# Allegro board Microroc_Hardroc2b_Test_Board.brd (continued)
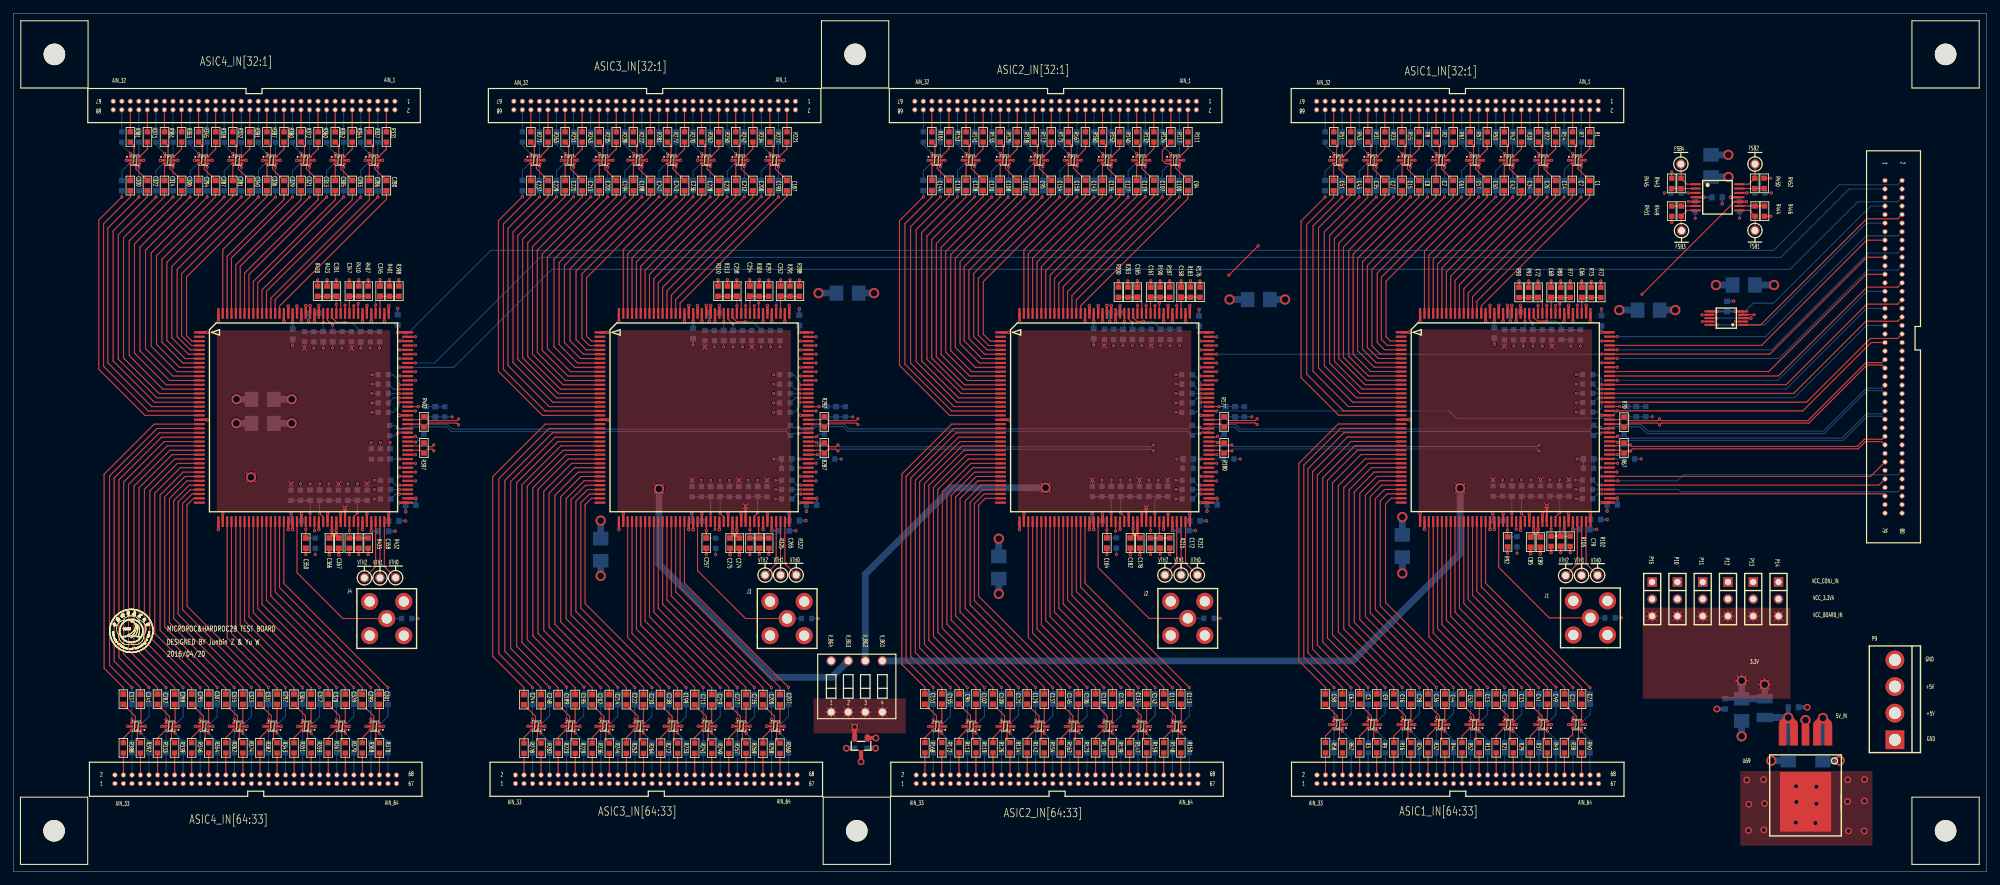
[diagram p0: board, top side]
## Placement (name value [footprint] x y rotation side) (continued)
R49  50  [SR0603]  228.27 18.44 90 top
R50  50  [SR0603]  219.33 109.37 270 top
R51  50  [SR0603]  196.47 109.37 270 top
R52  50  [SR0603]  215.57 18.44 90 top
R53  50  [SR0603]  229.54 18.44 90 bottom
R54  50  [SR0603]  218.06 109.37 270 bottom
R55  50  [SR0603]  195.2 109.37 270 bottom
R56  50  [SR0603]  216.84 18.44 90 bottom
R57  50  [SR0603]  216.79 109.37 270 top
R58  50  [SR0603]  195.25 18.44 90 top
R59  50  [SR0603]  215.52 109.37 270 bottom
R60  50  [SR0603]  196.52 18.44 90 bottom
R61  50  [SR0603]  214.25 109.37 270 top
R62  50  [SR0603]  197.79 18.44 90 top
R63  50  [SR0603]  212.98 109.37 270 bottom
R64  50  [SR0603]  199.06 18.44 90 bottom
R65  x  [SR0603]  240.49 61.44 180 bottom
R66  x  [SR0603]  234.39 60.02 180 bottom
R67  100  [SR0603]  239.67 63.07 90 top
R68  100  [SR0603]  239.67 64.36 90 bottom
R69  100  [SR0603]  235.18 65.68 270 bottom
R70  100  [SR0603]  239.67 66.9 90 top
R71  10k  [SR0603]  236.19 86.23 270 bottom
R72  3.2k  [SR0603]  236.22 86.23 270 top
R73  10k  [SR0603]  234.8 86.23 90 top
R74  50  [SR0603]  237.59 37.77 180 bottom
R75  3.2k  [SR0603]  234.8 86.23 90 bottom
R76  1k  [SR0603]  234.24 55.5 0 bottom
R77  8k  [SR0603]  231.67 86.23 270 top
R78  1k  [SR0603]  234.24 56.9 180 bottom
R79  1k  [SR0603]  234.24 58.29 0 bottom
R80  3k  [SR0603]  230.25 86.23 90 top
R81  1k  [SR0603]  234.29 73.99 0 bottom
R82  1k  [SR0603]  231.67 86.23 270 bottom
R83  1k  [SR0603]  234.29 71.2 0 bottom
R84  1k  [SR0603]  234.29 72.59 0 bottom
R85  2.3k  [SR0603]  230.25 86.23 90 bottom
R86  1k  [SR0603]  234.29 68.4 0 bottom
R87  1k  [SR0603]  234.29 69.8 0 bottom
R88  1.4k  [SR0603]  228.93 79.93 90 bottom
R89  1k  [SR0603]  223.75 49.1 90 bottom
R90  3.2k  [SR0603]  224.05 86.23 270 top
R91  1.1k  [SR0603]  227.51 79.93 270 bottom
R92  5.6k  [SR0603]  222.35 49.1 270 top
R93  10k  [SR0603]  225.48 86.23 90 top
R94  3k  [SR0603]  221.87 79.93 90 bottom
R95  10k  [SR0603]  231.67 49.17 90 bottom
R96  10k  [SR0603]  224.06 86.23 270 bottom
R97  22k  [SR0603]  223.27 79.93 270 bottom
R98  10  [SR0603]  242.9 68.48 90 bottom
R99  3.2k  [SR0603]  228.83 49.17 270 bottom
R100  3.2k  [SR0603]  225.48 86.23 90 bottom
R101  3k  [SR0603]  220.19 56.64 270 bottom
R102  5.6k  [SR0603]  231.67 49.17 90 top
R103  4k  [SR0603]  233.2 79.93 90 bottom
R104  2k  [SR0603]  221.59 56.64 90 bottom
R105  1k  [SR0603]  228.83 49.17 270 top
R106  1k  [SR0603]  231.78 79.93 270 bottom
R107  2k  [SR0603]  227.25 56.64 270 bottom
R108  3k  [SR0603]  225.83 56.64 90 bottom
R109  21k  [SR0603]  231.5 56.64 270 bottom
R110  4k  [SR0603]  228.65 56.64 90 bottom
R111  50  [SR0603]  174.78 109.37 270 top
R112  50  [SR0603]  151.92 109.37 270 top
R113  50  [SR0603]  140.72 18.44 90 top
R114  50  [SR0603]  173.51 109.37 270 bottom
R115  50  [SR0603]  150.65 109.37 270 bottom
R116  50  [SR0603]  141.96 18.44 90 bottom
R117  50  [SR0603]  172.24 109.37 270 top
R118  50  [SR0603]  149.38 109.37 270 top
R119  50  [SR0603]  143.23 18.44 90 top
R120  50  [SR0603]  170.97 109.37 270 bottom
R121  50  [SR0603]  148.11 109.37 270 bottom
R122  50  [SR0603]  144.5 18.44 90 bottom
R123  50  [SR0603]  158.47 18.44 90 top
R124  50  [SR0603]  169.7 109.37 270 top
R125  50  [SR0603]  146.84 109.37 270 top
R126  50  [SR0603]  145.77 18.44 90 top
R127  50  [SR0603]  159.77 18.44 90 bottom
R128  50  [SR0603]  168.43 109.37 270 bottom
R129  50  [SR0603]  145.57 109.37 270 bottom
R130  50  [SR0603]  147.04 18.44 90 bottom
R131  50  [SR0603]  161.04 18.44 90 top
R132  50  [SR0603]  167.16 109.37 270 top
R133  50  [SR0603]  144.3 109.37 270 top
R134  50  [SR0603]  148.31 18.44 90 top
R135  50  [SR0603]  162.28 18.44 90 bottom
R136  50  [SR0603]  165.89 109.37 270 bottom
R137  50  [SR0603]  143.03 109.37 270 bottom
R138  50  [SR0603]  149.58 18.44 90 bottom
R139  50  [SR0603]  163.55 18.44 90 top
R140  50  [SR0603]  164.62 109.37 270 top
R141  50  [SR0603]  141.76 109.37 270 top
R142  50  [SR0603]  150.86 18.44 90 top
R143  50  [SR0603]  164.82 18.44 90 bottom
R144  50  [SR0603]  163.35 109.37 270 bottom
R145  50  [SR0603]  140.49 109.37 270 bottom
R146  50  [SR0603]  152.12 18.44 90 bottom
R147  50  [SR0603]  166.1 18.44 90 top
R148  50  [SR0603]  171.18 18.44 90 top
R149  50  [SR0603]  172.47 18.44 90 bottom
R150  50  [SR0603]  173.72 18.44 90 top
R151  50  [SR0603]  174.98 18.44 90 bottom
R152  50  [SR0603]  162.07 109.37 270 top
R153  50  [SR0603]  139.21 109.37 270 top
R154  50  [SR0603]  153.4 18.44 90 top
R155  50  [SR0603]  167.36 18.44 90 bottom
R156  50  [SR0603]  160.81 109.37 270 bottom
R157  50  [SR0603]  137.95 109.37 270 bottom
R158  50  [SR0603]  154.66 18.44 90 bottom
R159  50  [SR0603]  168.64 18.44 90 top
R160  50  [SR0603]  159.53 109.37 270 top
R161  50  [SR0603]  136.67 109.37 270 top
R162  50  [SR0603]  155.94 18.44 90 top
R163  50  [SR0603]  169.9 18.44 90 bottom
R164  50  [SR0603]  158.27 109.37 270 bottom
R165  50  [SR0603]  135.41 109.37 270 bottom
R166  50  [SR0603]  157.2 18.44 90 bottom
R167  50  [SR0603]  156.99 109.37 270 top
R168  50  [SR0603]  135.64 18.44 90 top
R169  50  [SR0603]  155.7 109.37 270 bottom
R170  50  [SR0603]  136.88 18.44 90 bottom
R171  50  [SR0603]  154.45 109.37 270 top
R172  50  [SR0603]  138.15 18.44 90 top
R173  50  [SR0603]  153.19 109.37 270 bottom
R174  50  [SR0603]  139.42 18.44 90 bottom
R175  x  [SR0603]  180.85 61.42 180 bottom
R176  3.2k  [SR0603]  176.57 86.26 270 top
R177  100  [SR0603]  180.16 66.95 90 top
R178  10k  [SR0603]  176.58 86.26 270 bottom
R179  x  [SR0603]  174.8 60.02 180 bottom
R180  100  [SR0603]  180.16 63.07 90 top
R181  100  [SR0603]  180.16 64.36 90 bottom
R182  100  [SR0603]  175.44 65.68 270 bottom
R183  10k  [SR0603]  175.16 86.26 90 top
R184  50  [SR0603]  177.9 37.69 180 bottom
R185  3.2k  [SR0603]  175.16 86.26 90 bottom
R186  1k  [SR0603]  174.7 55.47 0 bottom
R187  8k  [SR0603]  172.06 86.26 270 top
R188  1k  [SR0603]  174.7 56.87 180 bottom
R189  1k  [SR0603]  174.7 58.27 0 bottom
R190  3k  [SR0603]  170.65 86.26 90 top
R191  1k  [SR0603]  174.65 73.96 0 bottom
R192  1k  [SR0603]  172.06 86.26 270 bottom
R193  1k  [SR0603]  174.65 71.17 0 bottom
R194  1k  [SR0603]  174.65 72.57 0 bottom
R195  2.3k  [SR0603]  170.64 86.26 90 bottom
R196  1k  [SR0603]  174.65 68.38 0 bottom
R197  1k  [SR0603]  174.65 69.77 0 bottom
R198  1.4k  [SR0603]  169.32 79.98 90 bottom
R199  1k  [SR0603]  164.13 48.92 90 bottom
R200  3.2k  [SR0603]  164.43 86.26 270 top
R201  1.1k  [SR0603]  167.92 79.98 270 bottom
R202  5.6k  [SR0603]  162.71 48.92 270 bottom
R203  10k  [SR0603]  165.84 86.26 90 top
R204  3k  [SR0603]  162.33 79.98 90 bottom
R205  10k  [SR0603]  172.06 48.92 90 bottom
R206  10k  [SR0603]  164.44 86.26 270 bottom
R207  22k  [SR0603]  163.73 79.98 270 bottom
R208  3.2k  [SR0603]  170.64 48.92 270 bottom
R209  10  [SR0603]  183.18 68.45 90 bottom
R210  3.2k  [SR0603]  165.84 86.26 90 bottom
R211  3k  [SR0603]  160.55 56.59 270 bottom
R212  5.6k  [SR0603]  172.07 48.92 90 top
R213  4k  [SR0603]  173.51 79.98 90 bottom
R214  2k  [SR0603]  161.98 56.59 90 bottom
R215  1k  [SR0603]  169.21 48.92 270 top
R216  1k  [SR0603]  172.11 79.98 270 bottom
R217  2k  [SR0603]  167.56 56.59 270 bottom
R218  3k  [SR0603]  166.17 56.59 90 bottom
R219  21k  [SR0603]  171.75 56.59 270 bottom
R220  4k  [SR0603]  170.36 56.59 90 bottom
R221  50  [SR0603]  115.11 109.37 270 top
R222  50  [SR0603]  92.25 109.37 270 top
R223  50  [SR0603]  81.05 18.36 90 top
R224  50  [SR0603]  113.84 109.37 270 bottom
R225  50  [SR0603]  90.98 109.37 270 bottom
R226  50  [SR0603]  82.32 18.36 90 bottom
R227  50  [SR0603]  112.57 109.37 270 top
R228  50  [SR0603]  89.71 109.37 270 top
R229  50  [SR0603]  83.59 18.36 90 top
R230  50  [SR0603]  111.28 109.37 270 bottom
R231  50  [SR0603]  88.44 109.37 270 bottom
R232  50  [SR0603]  84.86 18.36 90 bottom
R233  50  [SR0603]  98.83 18.36 90 top
R234  50  [SR0603]  110.03 109.37 270 top
R235  50  [SR0603]  87.17 109.37 270 top
R236  50  [SR0603]  86.13 18.36 90 top
R237  50  [SR0603]  100.1 18.36 90 bottom
R238  50  [SR0603]  108.76 109.37 270 bottom
R239  50  [SR0603]  85.9 109.37 270 bottom
R240  50  [SR0603]  87.4 18.36 90 bottom
R241  50  [SR0603]  101.37 18.36 90 top
R242  50  [SR0603]  107.49 109.37 270 top
R243  50  [SR0603]  84.63 109.37 270 top
R244  50  [SR0603]  88.67 18.36 90 top
R245  50  [SR0603]  102.64 18.36 90 bottom
R246  50  [SR0603]  106.22 109.37 270 bottom
R247  50  [SR0603]  83.36 109.37 270 bottom
R248  50  [SR0603]  89.94 18.36 90 bottom
R249  50  [SR0603]  103.91 18.36 90 top
R250  50  [SR0603]  104.95 109.37 270 top
R251  50  [SR0603]  82.09 109.37 270 top
R252  50  [SR0603]  91.21 18.36 90 top
R253  50  [SR0603]  105.18 18.36 90 bottom
R254  50  [SR0603]  103.68 109.37 270 bottom
R255  50  [SR0603]  80.82 109.37 270 bottom
R256  50  [SR0603]  92.48 18.36 90 bottom
R257  50  [SR0603]  106.45 18.36 90 top
R258  50  [SR0603]  111.53 18.36 90 top
R259  50  [SR0603]  112.8 18.36 90 bottom
R260  50  [SR0603]  114.07 18.36 90 top
R261  50  [SR0603]  115.34 18.36 90 bottom
R262  50  [SR0603]  102.41 109.37 270 top
R263  50  [SR0603]  79.55 109.37 270 top
R264  50  [SR0603]  93.75 18.36 90 top
R265  50  [SR0603]  107.72 18.36 90 bottom
R266  50  [SR0603]  101.14 109.37 270 bottom
R267  50  [SR0603]  78.28 109.37 270 bottom
R268  50  [SR0603]  95.02 18.36 90 bottom
R269  50  [SR0603]  109 18.36 90 top
R270  50  [SR0603]  99.86 109.37 270 top
R271  50  [SR0603]  77 109.37 270 top
R272  50  [SR0603]  96.3 18.36 90 top
R273  50  [SR0603]  110.26 18.36 90 bottom
R274  50  [SR0603]  98.6 109.37 270 bottom
R275  50  [SR0603]  75.74 109.37 270 bottom
R276  50  [SR0603]  97.56 18.36 90 bottom
R277  50  [SR0603]  97.33 109.37 270 top
R278  50  [SR0603]  75.97 18.36 90 top
R279  50  [SR0603]  96.06 109.37 270 bottom
R280  50  [SR0603]  77.24 18.36 90 bottom
R281  50  [SR0603]  94.79 109.37 270 top
R282  50  [SR0603]  78.51 18.36 90 top
R283  50  [SR0603]  93.52 109.37 270 bottom
R284  50  [SR0603]  79.78 18.36 90 bottom
R285  x  [SR0603]  121.46 61.42 180 bottom
R286  x  [SR0603]  115.06 60.02 180 bottom
R287  100  [SR0603]  120.68 63.07 90 top
R288  3.2k  [SR0603]  116.97 86.41 270 top
R289  100  [SR0603]  120.68 64.36 90 bottom
R290  100  [SR0603]  115.6 65.66 270 bottom
R291  10k  [SR0603]  115.57 86.41 90 top
R292  100  [SR0603]  120.68 66.95 90 top
R293  50  [SR0603]  118.03 37.67 180 bottom
R294  10k  [SR0603]  116.97 86.41 270 bottom
R295  3.2k  [SR0603]  115.57 86.41 90 bottom
R296  1k  [SR0603]  115.09 55.47 0 bottom
R297  8k  [SR0603]  112.39 86.41 270 top
R298  1k  [SR0603]  115.09 56.87 180 bottom
R299  1k  [SR0603]  115.09 58.27 0 bottom
R300  3k  [SR0603]  111 86.41 90 top
R301  1k  [SR0603]  114.81 73.96 0 bottom
R302  1k  [SR0603]  112.39 86.41 270 bottom
R303  1k  [SR0603]  114.81 71.17 0 bottom
R304  1k  [SR0603]  114.81 72.57 0 bottom
R305  2.3k  [SR0603]  111 86.41 90 bottom
R306  1k  [SR0603]  114.81 68.38 0 bottom
R307  1k  [SR0603]  114.81 69.77 0 bottom
R308  1.4k  [SR0603]  109.88 79.81 90 bottom
R309  1k  [SR0603]  104.5 48.9 90 bottom
R310  3.2k  [SR0603]  104.85 86.41 270 top
R311  1.1k  [SR0603]  108.48 79.81 270 bottom
R312  5.6k  [SR0603]  103.1 48.9 270 bottom
R313  10k  [SR0603]  106.25 86.41 90 top
R314  3k  [SR0603]  102.9 79.81 90 bottom
R315  10k  [SR0603]  112.39 48.9 90 bottom
R316  10k  [SR0603]  104.85 86.41 270 bottom
R317  22k  [SR0603]  104.29 79.81 270 bottom
R318  10  [SR0603]  123.8 68.45 90 bottom
R319  3.2k  [SR0603]  111 48.9 270 bottom
R320  3.2k  [SR0603]  106.25 86.41 90 bottom
R321  3k  [SR0603]  100.96 56.57 270 bottom
R322  5.6k  [SR0603]  112.39 48.9 90 top
R323  4k  [SR0603]  114.07 79.81 90 bottom
R324  2k  [SR0603]  102.36 56.57 90 bottom
R325  1k  [SR0603]  109.6 48.9 270 top
R326  1k  [SR0603]  112.67 79.81 270 bottom
R327  2k  [SR0603]  107.95 56.57 270 bottom
R328  3k  [SR0603]  106.55 56.57 90 bottom
R329  21k  [SR0603]  112.14 56.57 270 bottom
R330  4k  [SR0603]  109.35 56.57 90 bottom
R331  50  [SR0603]  55.5 109.37 270 top
R332  50  [SR0603]  32.64 109.37 270 top
R333  50  [SR0603]  21.44 18.41 90 top
R334  50  [SR0603]  54.23 109.37 270 bottom
R335  50  [SR0603]  31.37 109.37 270 bottom
R336  50  [SR0603]  22.71 18.41 90 bottom
R337  50  [SR0603]  52.96 109.37 270 top
R338  50  [SR0603]  30.1 109.37 270 top
R339  50  [SR0603]  23.98 18.41 90 top
R340  50  [SR0603]  51.69 109.37 270 bottom
R341  50  [SR0603]  28.83 109.37 270 bottom
R342  50  [SR0603]  25.25 18.41 90 bottom
R343  50  [SR0603]  39.22 18.41 90 top
R344  50  [SR0603]  50.42 109.37 270 top
R345  50  [SR0603]  27.56 109.37 270 top
R346  50  [SR0603]  26.52 18.41 90 top
R347  50  [SR0603]  40.49 18.41 90 bottom
R348  50  [SR0603]  49.15 109.37 270 bottom
R349  50  [SR0603]  26.29 109.37 270 bottom
R350  50  [SR0603]  27.79 18.41 90 bottom
R351  50  [SR0603]  41.76 18.41 90 top
R352  50  [SR0603]  47.88 109.37 270 top
R353  50  [SR0603]  25.02 109.37 270 top
R354  50  [SR0603]  29.06 18.41 90 top
R355  50  [SR0603]  43.03 18.41 90 bottom
R356  50  [SR0603]  46.61 109.37 270 bottom
R357  50  [SR0603]  23.75 109.37 270 bottom
R358  50  [SR0603]  30.33 18.41 90 bottom
R359  50  [SR0603]  44.3 18.41 90 top
R360  50  [SR0603]  45.34 109.37 270 top
R361  50  [SR0603]  22.48 109.37 270 top
R362  50  [SR0603]  31.6 18.41 90 top
R363  50  [SR0603]  45.57 18.41 90 bottom
R364  50  [SR0603]  44.07 109.37 270 bottom
R365  50  [SR0603]  21.21 109.37 270 bottom
R366  50  [SR0603]  32.87 18.41 90 bottom
R367  50  [SR0603]  46.84 18.41 90 top
R368  50  [SR0603]  51.92 18.41 90 top
R369  50  [SR0603]  53.19 18.41 90 bottom
R370  50  [SR0603]  54.46 18.41 90 top
R371  50  [SR0603]  55.73 18.41 90 bottom
R372  50  [SR0603]  42.8 109.37 270 top
R373  50  [SR0603]  19.94 109.37 270 top
R374  50  [SR0603]  34.14 18.41 90 top
R375  50  [SR0603]  48.11 18.41 90 bottom
R376  50  [SR0603]  41.53 109.37 270 bottom
R377  50  [SR0603]  18.67 109.37 270 bottom
R378  50  [SR0603]  35.41 18.41 90 bottom
R379  50  [SR0603]  49.38 18.41 90 top
R380  50  [SR0603]  40.26 109.37 270 top
R381  50  [SR0603]  17.4 109.37 270 top
R382  50  [SR0603]  36.68 18.41 90 top
R383  50  [SR0603]  50.65 18.41 90 bottom
R384  50  [SR0603]  38.99 109.37 270 bottom
R385  50  [SR0603]  16.13 109.37 270 bottom
R386  50  [SR0603]  37.95 18.41 90 bottom
R387  50  [SR0603]  37.72 109.37 270 top
R388  50  [SR0603]  16.36 18.41 90 top
R389  50  [SR0603]  36.45 109.37 270 bottom
R390  50  [SR0603]  17.63 18.41 90 bottom
R391  50  [SR0603]  35.18 109.37 270 top
R392  50  [SR0603]  18.9 18.41 90 top
R393  50  [SR0603]  33.91 109.37 270 bottom
R394  50  [SR0603]  20.17 18.41 90 bottom
R395  x  [SR0603]  53.24 62.18 270 bottom
R396  x  [SR0603]  54.64 62.18 90 bottom
R397  100  [SR0603]  61.09 63.07 90 top
R398  3.2k  [SR0603]  57.35 86.41 270 top
R399  100  [SR0603]  61.09 64.36 90 bottom
R400  100  [SR0603]  56.01 65.66 270 bottom
R401  10k  [SR0603]  55.96 86.41 90 top
R402  100  [SR0603]  61.09 66.95 90 top
R403  50  [SR0603]  58.52 37.67 180 bottom
R404  10k  [SR0603]  57.35 86.41 270 bottom
R405  3.2k  [SR0603]  55.96 86.41 90 bottom
R406  1k  [SR0603]  55.4 55.47 0 bottom
R407  8k  [SR0603]  52.78 86.41 270 top
R408  1k  [SR0603]  55.4 56.87 180 bottom
R409  1k  [SR0603]  55.4 58.27 0 bottom
R410  3k  [SR0603]  51.38 86.41 90 top
R411  1k  [SR0603]  55.04 73.96 0 bottom
R412  1k  [SR0603]  52.78 86.41 270 bottom
R413  1k  [SR0603]  55.04 71.17 0 bottom
R414  1k  [SR0603]  55.04 72.57 0 bottom
R415  2.3k  [SR0603]  51.38 86.41 90 bottom
R416  1k  [SR0603]  55.04 68.38 0 bottom
R417  1k  [SR0603]  55.04 69.77 0 bottom
R418  1.4k  [SR0603]  50.29 79.63 90 bottom
R419  1k  [SR0603]  44.91 48.9 90 bottom
R420  3.2k  [SR0603]  45.26 86.41 270 top
R421  1.1k  [SR0603]  48.89 79.63 270 bottom
R422  5.6k  [SR0603]  43.51 48.9 270 bottom
R423  10k  [SR0603]  46.66 86.41 90 top
R424  3k  [SR0603]  43.31 79.63 90 bottom
R425  10k  [SR0603]  52.78 48.9 90 bottom
R426  10k  [SR0603]  45.26 86.41 270 bottom
R427  22k  [SR0603]  44.7 79.63 270 bottom
R428  3.2k  [SR0603]  51.38 48.9 270 bottom
R429  3.2k  [SR0603]  46.66 86.41 90 bottom
R430  10  [SR0603]  64.19 68.45 90 bottom
R431  3k  [SR0603]  41.3 56.03 270 bottom
R432  5.6k  [SR0603]  52.78 48.9 90 top
R433  4k  [SR0603]  54.48 79.63 90 bottom
R434  2k  [SR0603]  42.72 56.03 90 bottom
R435  1k  [SR0603]  49.99 48.9 270 top
R436  1k  [SR0603]  53.09 79.63 270 bottom
R437  2k  [SR0603]  48.36 56.03 270 bottom
R438  3k  [SR0603]  46.96 56.03 90 bottom
R439  21k  [SR0603]  52.6 56.03 270 bottom
R440  4k  [SR0603]  49.76 56.03 90 bottom
R441  x  [SR0603]  247.4 101.04 0 bottom
R442  x  [SR0603]  256.87 98.98 90 bottom
R443  453  [SR0603]  248.16 102.46 90 top
R444  453  [SR0603]  259.18 98.32 270 top
R445  453  [SR0603]  246.76 102.46 270 top
R446  453  [SR0603]  260.58 98.32 90 top
R447  x  [SR0603]  250.27 98.98 90 bottom
R448  x  [SR0603]  259.89 101.04 180 bottom
R449  453  [SR0603]  248.18 98.32 270 top
R450  453  [SR0603]  259.13 102.46 90 top
R451  453  [SR0603]  246.79 98.32 90 top
R452  453  [SR0603]  260.53 102.46 270 top
SW1  SW DIP4  [SWITCH-4P-DIP]  119.68 22.76 0 top
TP1  vth0  [TP_40MIL]  235.75 44.12 0 top
TP2  vth1  [TP_40MIL]  233.35 44.1 0 top
TP3  vth2  [TP_40MIL]  230.99 44.07 0 top
TP4  vth0  [TP_40MIL]  176.18 44.16 0 top
TP5  vth1  [TP_40MIL]  173.76 44.16 0 top
TP6  vth2  [TP_40MIL]  171.35 44.16 0 top
TP7  vth0  [TP_40MIL]  116.48 44.17 0 top
TP8  vth1  [TP_40MIL]  114.17 44.16 0 top
TP9  vth2  [TP_40MIL]  111.86 44.15 0 top
TP10  vth0  [TP_40MIL]  56.87 43.75 0 top
TP11  vth1  [TP_40MIL]  54.54 43.73 0 top
TP12  vth2  [TP_40MIL]  52.23 43.73 0 top
TP13  fsb4  [TP_40MIL]  248.13 105.33 0 top
TP14  fsb1  [TP_40MIL]  259.16 95.45 180 top
TP15  fsb3  [TP_40MIL]  248.23 95.42 180 top
TP16  fsb2  [TP_40MIL]  259.16 105.34 0 top
U1  NUP4114UPXV6  [NUP4114SOT-563]  232.22 105.25 0 top
U2  NUP4114UPXV6  [NUP4114SOT-563]  227.19 105.25 0 top
U3  NUP4114UPXV6  [NUP4114SOT-563]  222.08 105.25 0 top
U4  NUP4114UPXV6  [NUP4114SOT-563]  217.03 105.24 0 top
U5  NUP4114UPXV6  [NUP4114SOT-563]  206.86 105.25 0 top
U6  NUP4114UPXV6  [NUP4114SOT-563]  211.94 105.25 0 top
U7  NUP4114UPXV6  [NUP4114SOT-563]  201.77 105.25 0 top
U8  NUP4114UPXV6  [NUP4114SOT-563]  196.69 105.25 0 top
U9  NUP4114UPXV6  [NUP4114SOT-563]  197.57 22.54 180 top
U10  NUP4114UPXV6  [NUP4114SOT-563]  202.66 22.54 180 top
U11  NUP4114UPXV6  [NUP4114SOT-563]  207.74 22.54 180 top
U12  NUP4114UPXV6  [NUP4114SOT-563]  212.8 22.54 180 top
U13  NUP4114UPXV6  [NUP4114SOT-563]  217.88 22.54 180 top
U14  NUP4114UPXV6  [NUP4114SOT-563]  222.94 22.54 180 top
U15  NUP4114UPXV6  [NUP4114SOT-563]  228.05 22.54 180 top
U16  NUP4114UPXV6  [NUP4114SOT-563]  233.13 22.54 180 top
U17  HARDROC2B  [CQFP160Z0650]  206.5 80.29 270 top
U18  NUP4114UPXV6  [NUP4114SOT-563]  172.41 105.25 0 top
U19  NUP4114UPXV6  [NUP4114SOT-563]  167.36 105.25 0 top
U20  NUP4114UPXV6  [NUP4114SOT-563]  162.28 105.25 0 top
U21  NUP4114UPXV6  [NUP4114SOT-563]  157.2 105.25 0 top
U22  NUP4114UPXV6  [NUP4114SOT-563]  152.14 105.25 0 top
U23  NUP4114UPXV6  [NUP4114SOT-563]  136.9 105.25 0 top
U24  NUP4114UPXV6  [NUP4114SOT-563]  147.06 105.25 0 top
U25  NUP4114UPXV6  [NUP4114SOT-563]  141.99 105.25 0 top
U26  NUP4114UPXV6  [NUP4114SOT-563]  137.92 22.26 180 top
U27  NUP4114UPXV6  [NUP4114SOT-563]  143 22.26 180 top
U28  NUP4114UPXV6  [NUP4114SOT-563]  148.08 22.26 180 top
U29  NUP4114UPXV6  [NUP4114SOT-563]  153.18 22.26 180 top
U30  NUP4114UPXV6  [NUP4114SOT-563]  158.24 22.26 180 top
U31  NUP4114UPXV6  [NUP4114SOT-563]  163.32 22.26 180 top
U32  NUP4114UPXV6  [NUP4114SOT-563]  168.4 22.26 180 top
U33  NUP4114UPXV6  [NUP4114SOT-563]  173.56 22.26 180 top
U34  HARDROC2B  [CQFP160Z0650]  146.89 80.27 270 top
U35  NUP4114UPXV6  [NUP4114SOT-563]  112.8 105.25 0 top
U36  NUP4114UPXV6  [NUP4114SOT-563]  107.72 105.25 0 top
U37  NUP4114UPXV6  [NUP4114SOT-563]  102.64 105.25 0 top
U38  NUP4114UPXV6  [NUP4114SOT-563]  97.56 105.25 0 top
U39  NUP4114UPXV6  [NUP4114SOT-563]  92.48 105.25 0 top
U40  NUP4114UPXV6  [NUP4114SOT-563]  87.4 105.25 0 top
U41  NUP4114UPXV6  [NUP4114SOT-563]  82.33 105.25 0 top
U42  NUP4114UPXV6  [NUP4114SOT-563]  77.22 105.25 0 top
U43  NUP4114UPXV6  [NUP4114SOT-563]  78.28 22.28 180 top
U44  NUP4114UPXV6  [NUP4114SOT-563]  83.36 22.28 180 top
U45  NUP4114UPXV6  [NUP4114SOT-563]  88.44 22.28 180 top
U46  NUP4114UPXV6  [NUP4114SOT-563]  93.52 22.28 180 top
U47  NUP4114UPXV6  [NUP4114SOT-563]  98.6 22.28 180 top
U48  NUP4114UPXV6  [NUP4114SOT-563]  103.68 22.28 180 top
U49  NUP4114UPXV6  [NUP4114SOT-563]  108.79 22.28 180 top
U50  NUP4114UPXV6  [NUP4114SOT-563]  113.84 22.28 180 top
U51  HARDROC2B  [CQFP160Z0650]  87.28 80.27 270 top
U52  NUP4114UPXV6  [NUP4114SOT-563]  53.18 105.24 0 top
U53  NUP4114UPXV6  [NUP4114SOT-563]  48.11 105.24 0 top
U54  NUP4114UPXV6  [NUP4114SOT-563]  43.03 105.24 0 top
U55  NUP4114UPXV6  [NUP4114SOT-563]  37.95 105.24 0 top
U56  NUP4114UPXV6  [NUP4114SOT-563]  32.87 105.24 0 top
U57  NUP4114UPXV6  [NUP4114SOT-563]  27.79 105.24 0 top
U58  NUP4114UPXV6  [NUP4114SOT-563]  22.71 105.24 0 top
U59  NUP4114UPXV6  [NUP4114SOT-563]  17.63 105.24 0 top
U60  NUP4114UPXV6  [NUP4114SOT-563]  18.74 22.26 180 top
U61  NUP4114UPXV6  [NUP4114SOT-563]  23.83 22.26 180 top
U62  NUP4114UPXV6  [NUP4114SOT-563]  28.83 22.26 180 top
U63  NUP4114UPXV6  [NUP4114SOT-563]  33.91 22.26 180 top
U64  NUP4114UPXV6  [NUP4114SOT-563]  38.99 22.26 180 top
U65  NUP4114UPXV6  [NUP4114SOT-563]  44.07 22.26 180 top
U66  NUP4114UPXV6  [NUP4114SOT-563]  49.15 22.26 180 top
U67  NUP4114UPXV6  [NUP4114SOT-563]  54.23 22.26 180 top
U68  HARDROC2B  [CQFP160Z0650]  27.67 80.27 270 top
U69  LT1764AEQ-3.3  [SOT263-5B]  266.68 14.2 180 top
U70  REF3025  [REF3025-SOT-23-3]  127.08 19.89 180 top
U71  D-Pin40*2  [DC3-80P-1_27X2_54MM]  275.77 107.31 270 top
U72  ADG804  [ADG804-MSOP]  256.39 83.9 180 top
U73  ADA4891-4  [ADA4891-4-TSSOP]  251.38 97.89 0 top

## Library data of the parts
C1-C90 C93-C183 C186-C276 C279-C369 C372 C378-C380 C382 = Capacitor np
C91 C92 C184 C185 C277 C278 C370 C371 C381 C383 = Capacitor pol
C373 C374 C377 = CAP POL
C375 C376 = CAP NP
J1-J4 = LEMO
L1 = INDUCTOR
P1-P8 = D-Pin34*2
P9 = Pin 4
P10-P15 = Pin 3
R1-R452 = Resistor
SW1 = SW DIP4
TP1-TP16 = T POINT A
U1-U16 U18-U33 U35-U50 U52-U67 = NUP4114UPXV6
U17 U34 U51 U68 = HARDROC2B
U69 = LT1764A_0
U70 = REF3025
U71 = D-Pin40*2
U72 = ADG804
U73 = ADA4891-4

## Footprints (pads in the part's own frame, mm; a bottom-side part is the same pattern mirrored in y, then rotated)
ADA4891-4-TSSOP
  rect 1.5x0.3 smd: 1(-1.05,4.45) 2(-1.05,3.8) 3(-1.05,3.15) 4(-1.05,2.5) 5(-1.05,1.85) 6(-1.05,1.2) 7(-1.05,0.55) 8(5.45,0.55) 9(5.45,1.2) 10(5.45,1.85) 11(5.45,2.5) 12(5.45,3.15) 13(5.45,3.8) 14(5.45,4.45)
ADG804-MSOP
  rect 1.5x0.3 smd: 1(-1,2.5) 2(-1,2) 3(-1,1.5) 4(-1,1) 5(-1,0.5) 6(4,0.5) 7(4,1) 8(4,1.5) 9(4,2) 10(4,2.5)
CON-BNC-S-T
  round 2.54 hole 1.524: 1(0,0) 2(2.54,-2.54) 3(2.54,2.54) 4(-2.54,2.54) 5(-2.54,-2.54)
CQFP160Z0650
  rect 0.33x1.6 smd: 1(0,0) 2(0.65,0) 3(1.3,0) 4(1.95,0) 5(2.6,0) 6(3.25,0) 7(3.9,0) 8(4.55,0) 9(5.2,0) 10(5.85,0) 11(6.5,0) 12(7.15,0) 13(7.8,0) 14(8.45,0) 15(9.1,0) 16(9.75,0) 17(10.4,0) 18(11.05,0) 19(11.7,0) 20(12.35,0) 21(13,0) 22(13.65,0) 23(14.3,0) 24(14.95,0) 25(15.6,0) 26(16.25,0) 27(16.9,0) 28(17.55,0) 29(18.2,0) 30(18.85,0) 31(19.5,0) 32(20.15,0) 33(20.8,0) 34(21.45,0) 35(22.1,0) 36(22.75,0) 37(23.4,0) 38(24.05,0) 39(24.7,0) 40(25.35,0) 81(25.35,31) 82(24.7,31) 83(24.05,31) 84(23.4,31) 85(22.75,31) 86(22.1,31) 87(21.45,31) 88(20.8,31) 89(20.15,31) 90(19.5,31) 91(18.85,31) 92(18.2,31) 93(17.55,31) 94(16.9,31) 95(16.25,31) 96(15.6,31) 97(14.95,31) 98(14.3,31) 99(13.65,31) 100(13,31) 101(12.35,31) 102(11.7,31) 103(11.05,31) 104(10.4,31) 105(9.75,31) 106(9.1,31) 107(8.45,31) 108(7.8,31) 109(7.15,31) 110(6.5,31) 111(5.85,31) 112(5.2,31) 113(4.55,31) 114(3.9,31) 115(3.25,31) 116(2.6,31) 117(1.95,31) 118(1.3,31) 119(0.65,31) 120(0,31)
  rect 1.6x0.33 smd: 41(28.175,2.825) 42(28.175,3.475) 43(28.175,4.125) 44(28.175,4.775) 45(28.175,5.425) 46(28.175,6.075) 47(28.175,6.725) 48(28.175,7.375) 49(28.175,8.025) 50(28.175,8.675) 51(28.175,9.325) 52(28.175,9.975) 53(28.175,10.625) 54(28.175,11.275) 55(28.175,11.925) 56(28.175,12.575) 57(28.175,13.225) 58(28.175,13.875) 59(28.175,14.525) 60(28.175,15.175) 61(28.175,15.825) 62(28.175,16.475) 63(28.175,17.125) 64(28.175,17.775) 65(28.175,18.425) 66(28.175,19.075) 67(28.175,19.725) 68(28.175,20.375) 69(28.175,21.025) 70(28.175,21.675) 71(28.175,22.325) 72(28.175,22.975) 73(28.175,23.625) 74(28.175,24.275) 75(28.175,24.925) 76(28.175,25.575) 77(28.175,26.225) 78(28.175,26.875) 79(28.175,27.525) 80(28.175,28.175) 121(-2.825,28.175) 122(-2.825,27.525) 123(-2.825,26.875) 124(-2.825,26.225) 125(-2.825,25.575) 126(-2.825,24.925) 127(-2.825,24.275) 128(-2.825,23.625) 129(-2.825,22.975) 130(-2.825,22.325) 131(-2.825,21.675) 132(-2.825,21.025) 133(-2.825,20.375) 134(-2.825,19.725) 135(-2.825,19.075) 136(-2.825,18.425) 137(-2.825,17.775) 138(-2.825,17.125) 139(-2.825,16.475) 140(-2.825,15.825) 141(-2.825,15.175) 142(-2.825,14.525) 143(-2.825,13.875) 144(-2.825,13.225) 145(-2.825,12.575) 146(-2.825,11.925) 147(-2.825,11.275) 148(-2.825,10.625) 149(-2.825,9.975) 150(-2.825,9.325) 151(-2.825,8.675) 152(-2.825,8.025) 153(-2.825,7.375) 154(-2.825,6.725) 155(-2.825,6.075) 156(-2.825,5.425) 157(-2.825,4.775) 158(-2.825,4.125) 159(-2.825,3.475) 160(-2.825,2.825)
DC3-68P-1_27MM
  round 0.762 hole 0.508: 1(3.785,1.905) 2(3.785,3.175) 3(5.055,1.905) 4(5.055,3.175) 5(6.325,1.905) 6(6.325,3.175) 7(7.595,1.905) 8(7.595,3.175) 9(8.865,1.905) 10(8.865,3.175) 11(10.135,1.905) 12(10.135,3.175) 13(11.405,1.905) 14(11.405,3.175) 15(12.675,1.905) 16(12.675,3.175) 17(13.945,1.905) 18(13.945,3.175) 19(15.215,1.905) 20(15.215,3.175) 21(16.485,1.905) 22(16.485,3.175) 23(17.755,1.905) 24(17.755,3.175) 25(19.025,1.905) 26(19.025,3.175) 27(20.295,1.905) 28(20.295,3.175) 29(21.565,1.905) 30(21.565,3.175) 31(22.835,1.905) 32(22.835,3.175) 33(24.105,1.905) 34(24.105,3.175) 35(25.375,1.905) 36(25.375,3.175) 37(26.645,1.905) 38(26.645,3.175) 39(27.915,1.905) 40(27.915,3.175) 41(29.185,1.905) 42(29.185,3.175) 43(30.455,1.905) 44(30.455,3.175) 45(31.725,1.905) 46(31.725,3.175) 47(32.995,1.905) 48(32.995,3.175) 49(34.265,1.905) 50(34.265,3.175) 51(35.535,1.905) 52(35.535,3.175) 53(36.805,1.905) 54(36.805,3.175) 55(38.075,1.905) 56(38.075,3.175) 57(39.345,1.905) 58(39.345,3.175) 59(40.615,1.905) 60(40.615,3.175) 61(41.885,1.905) 62(41.885,3.175) 63(43.155,1.905) 64(43.155,3.175) 65(44.425,1.905) 66(44.425,3.175) 67(45.695,1.905) 68(45.695,3.175)
DC3-80P-1_27X2_54MM
  round 0.762 hole 0.508: 1(4.42,2.743) 2(4.42,5.283) 3(5.69,2.743) 4(5.69,5.283) 5(6.96,2.743) 6(6.96,5.283) 7(8.23,2.743) 8(8.23,5.283) 9(9.5,2.743) 10(9.5,5.283) 11(10.77,2.743) 12(10.77,5.283) 13(12.04,2.743) 14(12.04,5.283) 15(13.31,2.743) 16(13.31,5.283) 17(14.58,2.743) 18(14.58,5.283) 19(15.85,2.743) 20(15.85,5.283) 21(17.12,2.743) 22(17.12,5.283) 23(18.39,2.743) 24(18.39,5.283) 25(19.66,2.743) 26(19.66,5.283) 27(20.93,2.743) 28(20.93,5.283) 29(22.2,2.743) 30(22.2,5.283) 31(23.47,2.743) 32(23.47,5.283) 33(24.74,2.743) 34(24.74,5.283) 35(26.01,2.743) 36(26.01,5.283) 37(27.28,2.743) 38(27.28,5.283) 39(28.55,2.743) 40(28.55,5.283) 41(29.82,2.743) 42(29.82,5.283) 43(31.09,2.743) 44(31.09,5.283) 45(32.36,2.743) 46(32.36,5.283) 47(33.63,2.743) 48(33.63,5.283) 49(34.9,2.743) 50(34.9,5.283) 51(36.17,2.743) 52(36.17,5.283) 53(37.44,2.743) 54(37.44,5.283) 55(38.71,2.743) 56(38.71,5.283) 57(39.98,2.743) 58(39.98,5.283) 59(41.25,2.743) 60(41.25,5.283) 61(42.52,2.743) 62(42.52,5.283) 63(43.79,2.743) 64(43.79,5.283) 65(45.06,2.743) 66(45.06,5.283) 67(46.33,2.743) 68(46.33,5.283) 69(47.6,2.743) 70(47.6,5.283) 71(48.87,2.743) 72(48.87,5.283) 73(50.14,2.743) 74(50.14,5.283) 75(51.41,2.743) 76(51.41,5.283) 77(52.68,2.743) 78(52.68,5.283) 79(53.95,2.743) 80(53.95,5.283)
NUP4114SOT-563
  rect 0.45x0.3 smd: 1(-0.225,1.15) 2(-0.225,0.65) 3(-0.225,0.15) 4(1.125,0.15) 5(1.125,0.65) 6(1.125,1.15)
REF3025-SOT-23-3
  rect 0.61x1.067 smd: 1(0,0) 2(1.9,0) 3(0.95,2.37)
SC0603
  rect 0.813x0.889 smd: 1(-0.762,0) 2(0.762,0)
SIP-3P
  rect 1.397x1.397 hole 0.914: 1(-2.54,0)
  round 1.397 hole 0.914: 2(0,0) 3(2.54,0)
SIP-4P-156
  rect 2.794x2.794 hole 1.778: 1(-5.944,0)
  round 2.794 hole 1.778: 2(-1.981,0) 3(1.981,0) 4(5.944,0)
SL1210
  rect 1.397x2.413 smd: 1(-1.397,0) 2(1.397,0)
SOT263-5B
  rect 1.143x3.048 smd: 1(-3.404,-6.096) 2(-1.702,-6.096) 3(0,-6.096) 4(1.702,-6.096) 5(3.404,-6.096)
  rect 7.62x8.89 smd: 6(0,3.81)
SR0603
  rect 0.762x0.813 smd: 1(-0.762,0) 2(0.762,0)
STC3528
  rect 2.032x2.286 smd: 1(-1.651,0) 2(1.651,0)
